# Altium PCB PCB.PcbDoc (part 1 of 2)
Units mm, origin at the board's own origin, x right, y up, seen from the top; angles counter-clockwise.
Board outline 26 x 50 mm, 4 copper layers (Top, GND, Power, Bottom), stack 0.785 mm thick; 138 components, 93 nets, 461 pads, 248 vias.
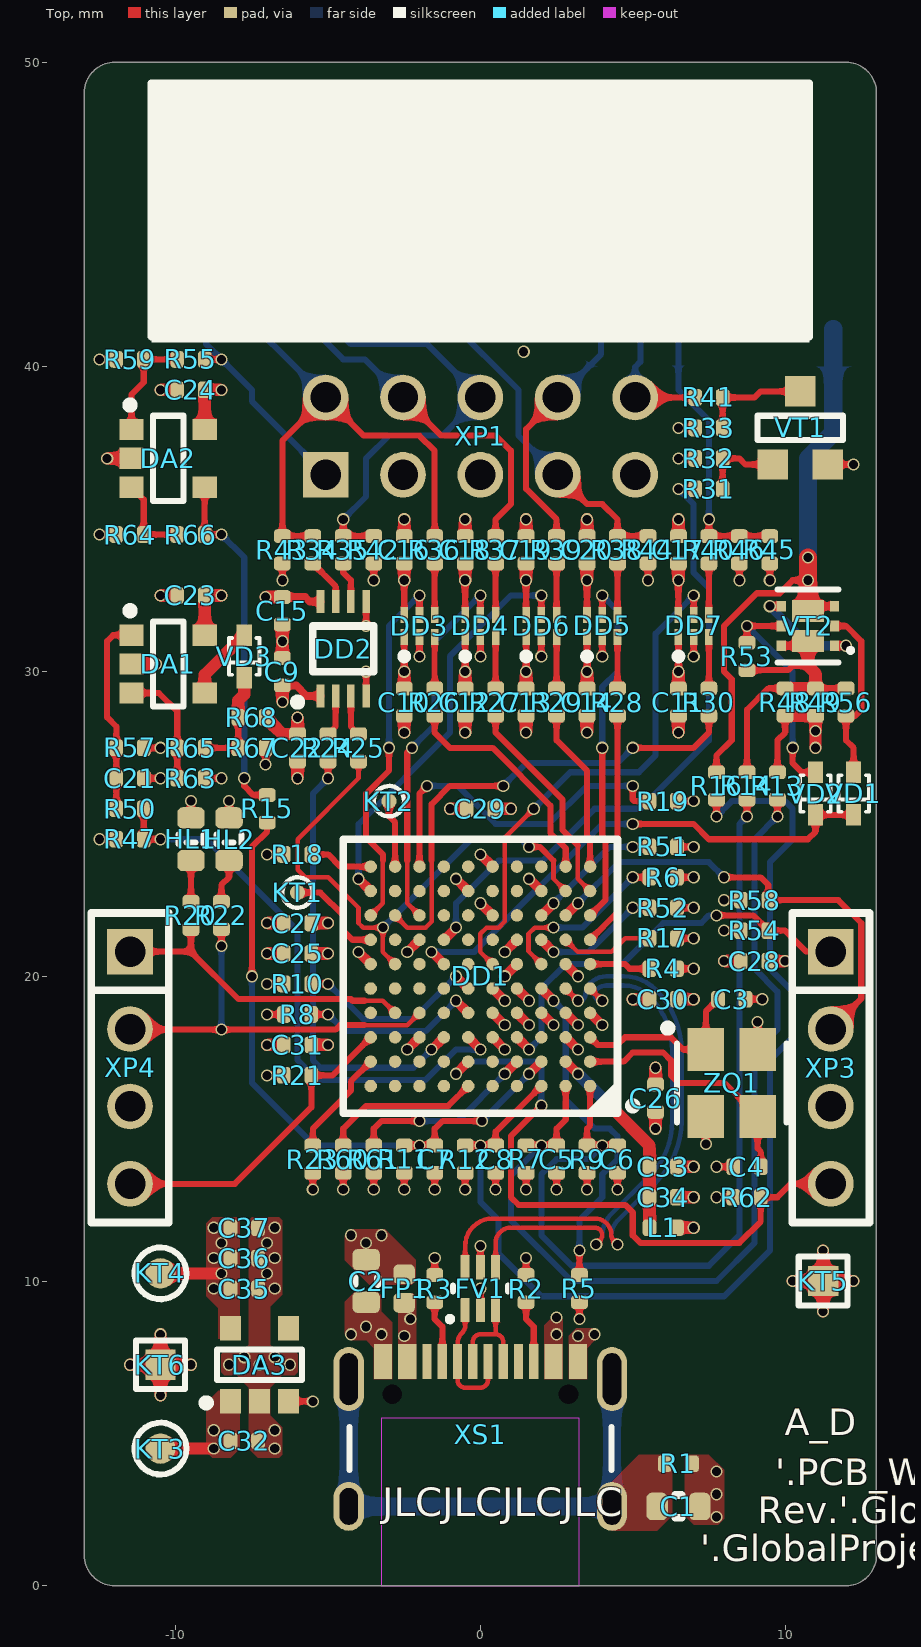
[diagram p0: Top view]
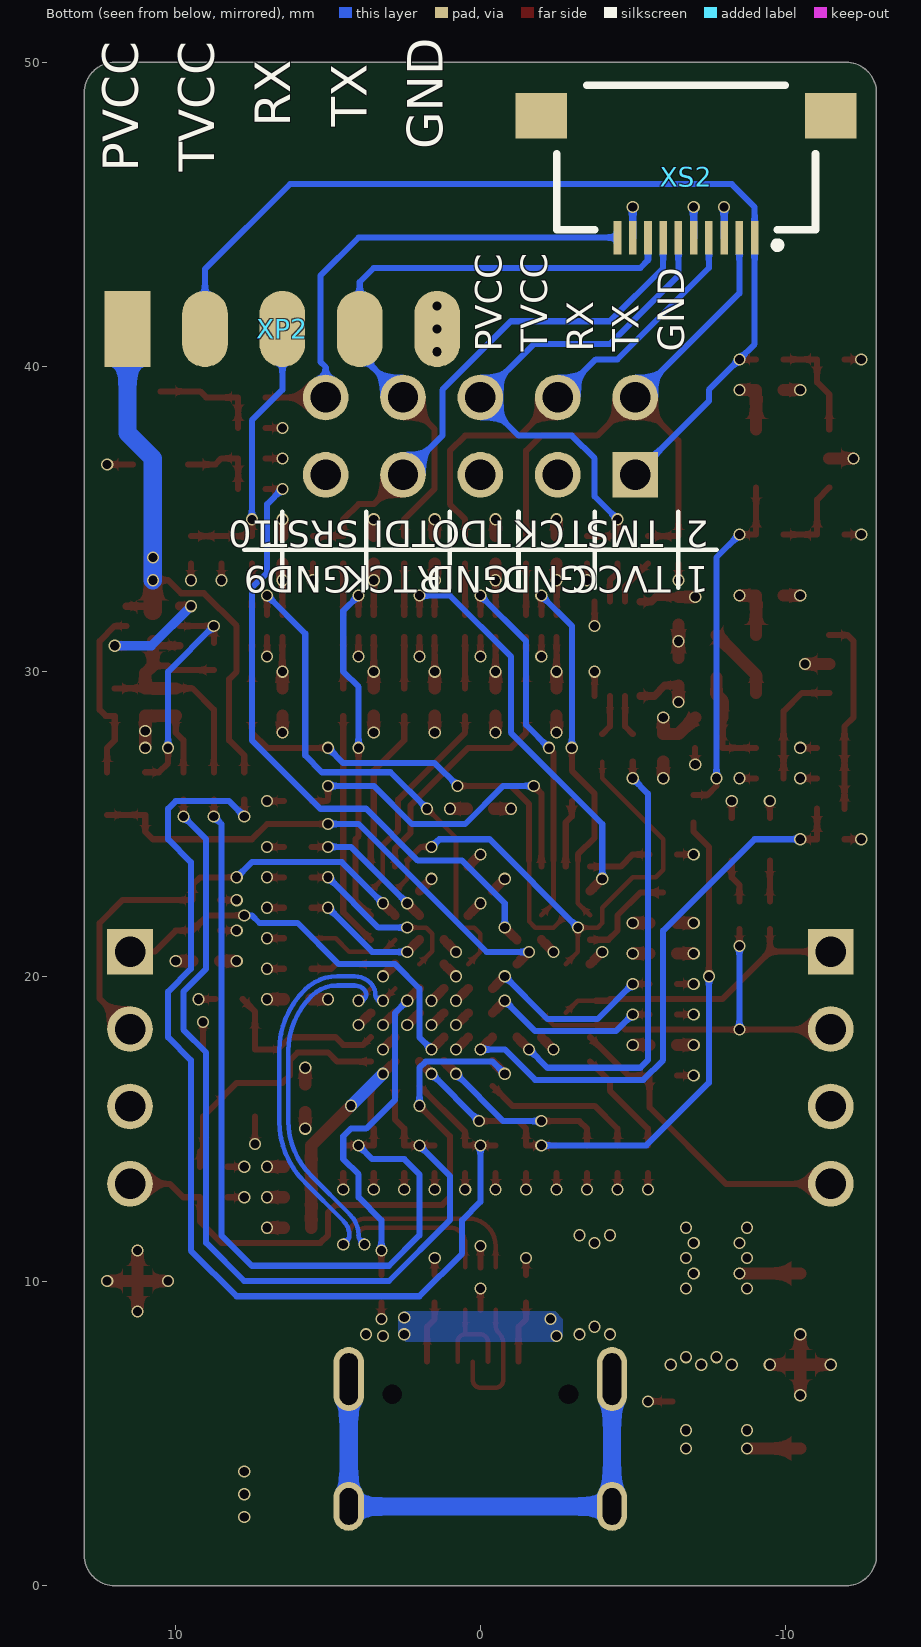
[diagram p1: Bottom view, seen from below]
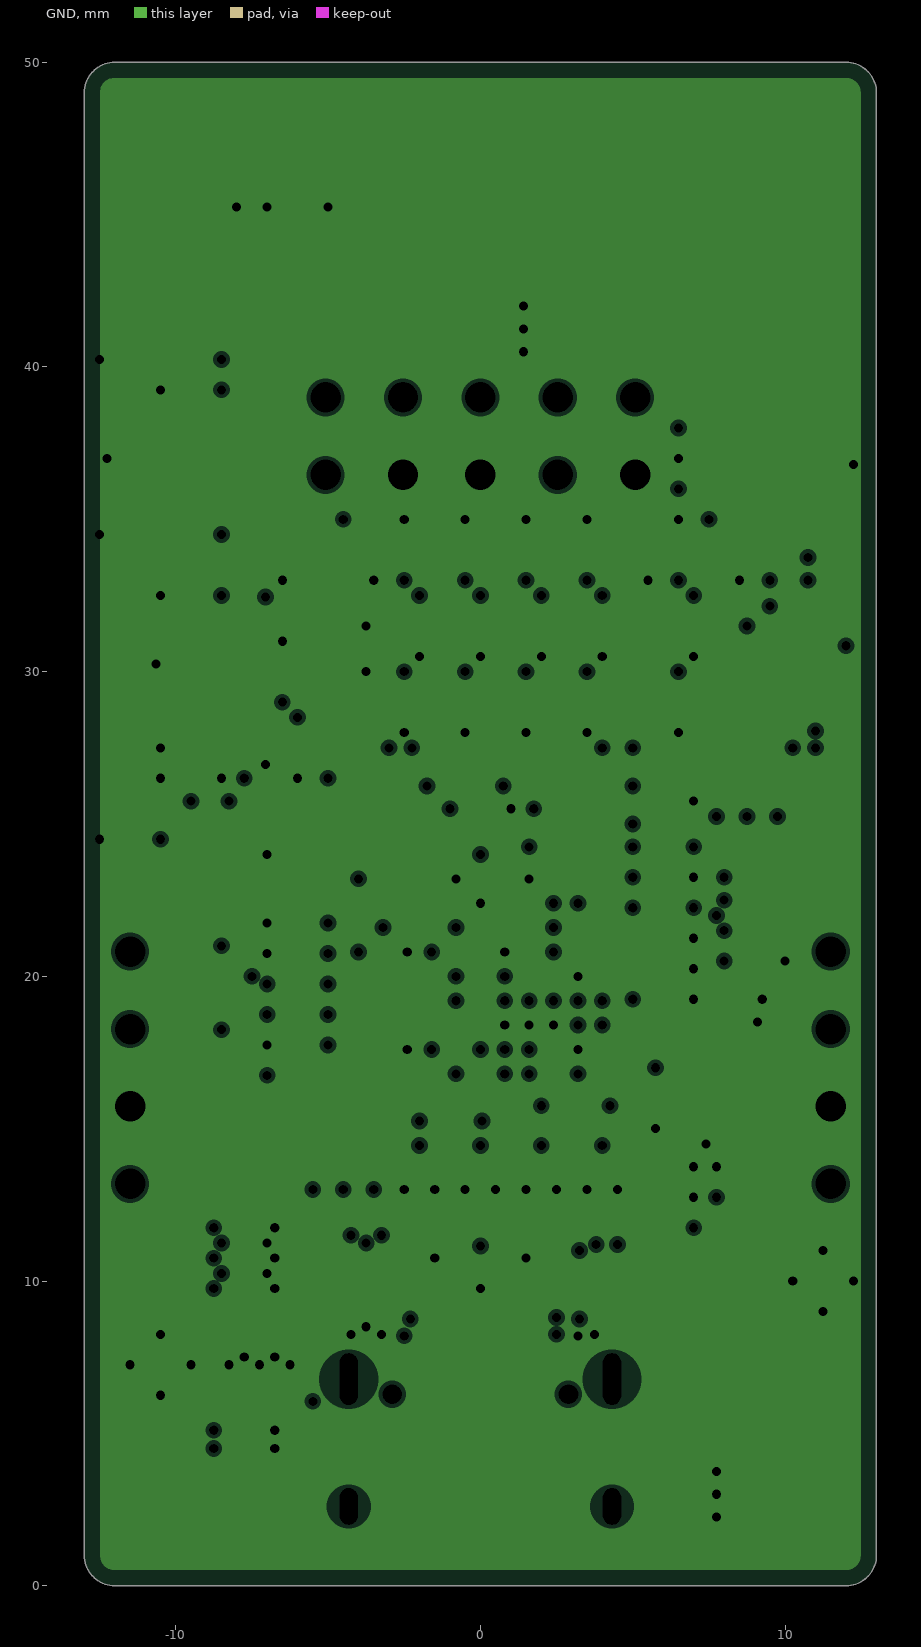
[diagram p2: GND, clearances drawn from the general rule]
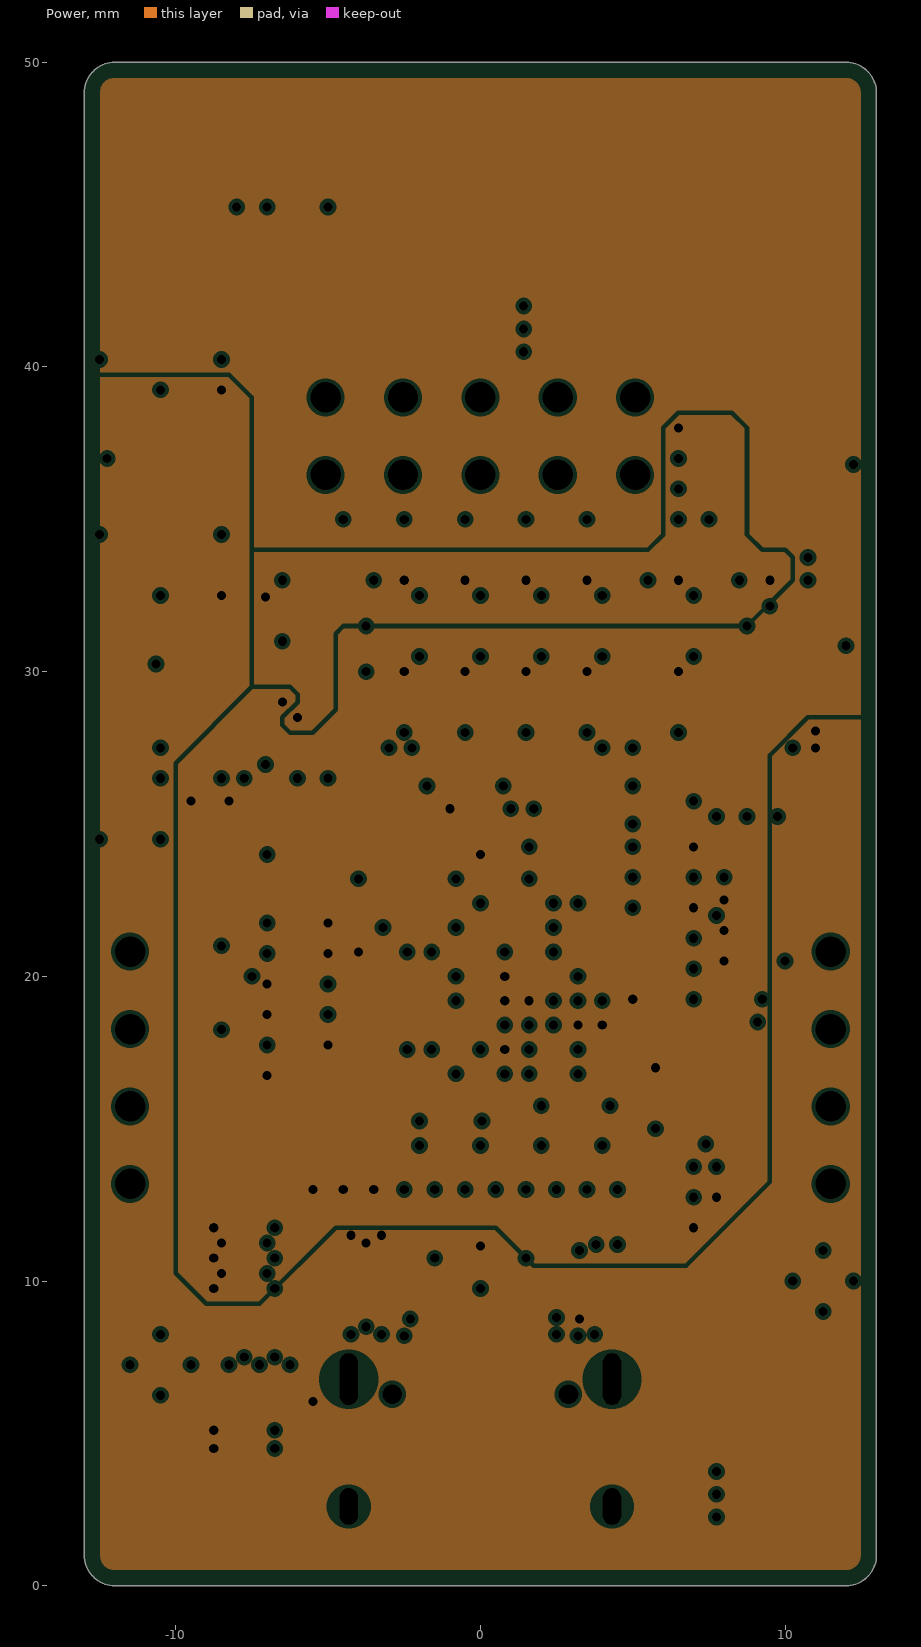
[diagram p3: Power, clearances drawn from the general rule]
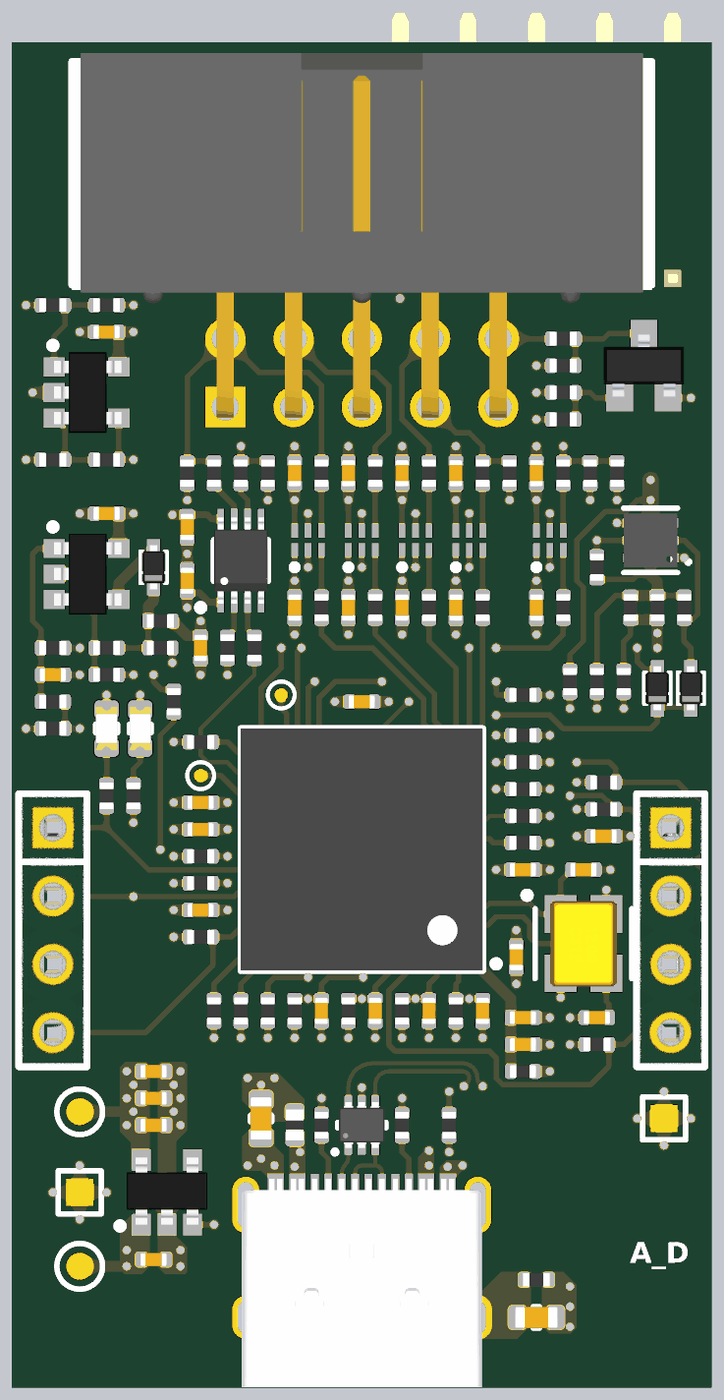
[diagram p5: 3D render of the assembled board from above, using the file's embedded part models]

## Layer stack, top to bottom
Top Solder: solder mask 0.0102, Solder Resist, Dk 3.5
Top: signal copper 0.0356
Dielectric 1: prepreg 0.1067, PP-014, Dk 4.05
GND: plane copper 0.0178, net GND
Core 1: core 0.465, Core-043, Dk 4.3
Power: plane copper 0.0178, net (Multiple Nets)
Dielectric 2: prepreg 0.1067, PP-014, Dk 4.05
Bottom: signal copper 0.0356
Bottom Solder: solder mask 0.0102, Solder Resist, Dk 3.5

## Board outline
-13,1 -13,49 cw(c-12,49) -12,50 12,50 cw(c12,49) 13,49 13,1 cw(c12,1) 12,0 -12,0 cw(c-12,1)

## Design rules (kind name [scope] priority, off if disabled: settings)
AssemblyTestPointUsage [All] p1 off:
AssemblyTestpoint [All] p1 off: testpointundercomponent=TRUE minsize=1.016 maxsize=2.54 preferedsize=1.524 minholesize=0 maxholesize=1.016 preferedholesize=0.813 testpointgrid=0.025 usegrid=TRUE gridtolerance=0 allowsidetop=TRUE allowsidebottom=TRUE
BoardOutlineClearance [All] p1: gap=0.2 ignorepadtopadclearanceinfootprint=FALSE
Clearance [All] p1: gap=0.1 ignorepadtopadclearanceinfootprint=FALSE
ComponentClearance [All] p1 off: gap=0.25 collisioncheckmode=3 verticalgap=0.25 showdistances=FALSE
DiffPairsRouting [All] p1: maxlimit=0.4 minlimit=0.15 mostfreqgap=0.2 toplayer_minwidth=0.15 toplayer_maxwidth=0.15 toplayer_prefwidth=0.15 bottomlayer_minwidth=0.15 bottomlayer_maxwidth=0.15 bottomlayer_prefwidth=0.15 maxuncoupledlength=12
FabricationTestPointUsage [All] p1 off: valid=0 allowmultiple=FALSE
FabricationTestpoint [All] p1 off: side=3 testpointundercomponent=TRUE minsize=1.016 maxsize=2.54 preferedsize=1.524 minholesize=0 maxholesize=1.016 preferedholesize=0.813 testpointgrid=0.025 allowsidetop=TRUE allowsidebottom=TRUE usegrid=TRUE gridtolerance=0
Height [All] p1: minheight=0 maxheight=25 prefheight=25
HoleSize [All] p1: absolutevalues=TRUE maxlimit=6 minlimit=0.2 maxpercent=80.000 minpercent=20.000
HoleToHoleClearance [All] p1: gap=0.25 allowstackedmicrovias=TRUE
MinimumSolderMaskSliver [All] p1 off: minsoldermaskwidth=0.254
PlaneClearance [All] p1: clearance=0.125
PlaneConnect [All] p1: planeconnectstyle=Direct reliefexpansion=0.4 reliefentries=4 reliefconductorwidth=0.3 reliefairgap=0.2
PolygonConnect PolygonConnect_DirectConnect [InComponentClass('DC')] p1: connectstyle=Direct reliefconductorwidth=0.254 reliefentries=4 polygonreliefangle="90 Angle" airgapwidth=0.254
PolygonConnect [All] p2: thpad.connectstyle=Relief thpad.reliefconductorwidth=0.2 thpad.reliefentries=4 thpad.polygonreliefangle="90 Angle" thpad.airgapwidth=0.25 smdpad.connectstyle=Relief smdpad.reliefconductorwidth=0.15 smdpad.reliefentries=4 smdpad.polygonreliefangle="90 Angle" smdpad.airgapwidth=0.15 via.connectstyle=Direct via.reliefconductorwidth=0.254 via.reliefentries=4 via.polygonreliefangle="90 Angle" via.airgapwidth=0.254
RoutingCorners [All] p1: cornerstyle=45-Degree minsetback=1.5 maxsetback=3.5
RoutingVias [All] p1: holewidth=0.2 width=0.4 viastyle="Through Hole" minholewidth=0.2 minwidth=0.4 maxholewidth=1 maxwidth=2
SMDEntry [All] p1: side=TRUE corner=TRUE anyangle=TRUE
SilkToSilkClearance [All] p1 off: silktosilkclearance=0.254
SilkToSolderMaskClearance [IsPad] p1 off: minsilkscreentomaskgap=0.254 clearancetoexposedcopper=TRUE
SolderMaskExpansion [All] p1: expansion=0.025 istentingtop=FALSE
Width [All] p1: maxlimit=8 minlimit=0.15 preferedwidth=0.6
Width Width_TrackEnds [All] p2 off: maxlimit=0.25 minlimit=0.25 preferedwidth=0.25 checkconnectedcopper=TRUE
15 further rules are at their usual default settings.

## Classes and differential pairs
component class DC: C1 C2 C32 C35 C36 C37 DA3 FP1 R1 XS1
differential pair USB_D: +USB_D_P -USB_D_N
differential pair USB_DD: +USB_DD_P -USB_DD_N

## Components (designator, comment, footprint, x,y, rotation, side; value= is the part's Value field where it differs from the comment)
C1 "Capacitor" C0603_160X080H080_H 6.5,2.6 r0 top value=0.1uF
C2 "Capacitor" C0603_160X080H080_H -3.75,10 r90 top value=10uF
C3 "Capacitor" C0402_100X050H050_H 8.25,19.25 r180 top value=12pF
C4 "Capacitor" C0402_100X050H050_H 8.75,13.75 r0 top value=12pF
C5 "Capacitor" C0402_100X050H050_H 2.5,14 r90 top value=0.1uF
C6 "Capacitor" C0402_100X050H050_H 4.5,14 r90 top value=0.1uF
C7 "Capacitor" C0402_100X050H050_H -1.5,14 r90 top value=0.1uF
C8 "Capacitor" C0402_100X050H050_H 0.5,14 r90 top value=0.1uF
C9 "Capacitor" C0402_100X050H050_H -6.5,30 r270 top value=0.1uF
C10 "Capacitor" C0402_100X050H050_H -2.5,29 r90 top value=0.1uF
C11 "Capacitor" C0402_100X050H050_H 6.5,29 r90 top value=0.1uF
C12 "Capacitor" C0402_100X050H050_H -0.5,29 r90 top value=0.1uF
C13 "Capacitor" C0402_100X050H050_H 1.5,29 r90 top value=0.1uF
C14 "Capacitor" C0402_100X050H050_H 3.5,29 r90 top value=0.1uF
C15 "Capacitor" C0402_100X050H050_H -6.5,32 r90 top value=0.1uF
C16 "Capacitor" C0402_100X050H050_H -2.5,34 r270 top value=0.1uF
C17 "Capacitor" C0402_100X050H050_H 6.5,34 r270 top value=0.1uF
C18 "Capacitor" C0402_100X050H050_H -0.5,34 r270 top value=0.1uF
C19 "Capacitor" C0402_100X050H050_H 1.5,34 r270 top value=0.1uF
C20 "Capacitor" C0402_100X050H050_H 3.5,34 r270 top value=0.1uF
C21 "Capacitor" C0402_100X050H050_H -11.5,26.5 r180 top value=0.1uF
C22 "Capacitor" C0402_100X050H050_H -6,27.5 r90 top value=4.7uF
C23 "Capacitor" C0402_100X050H050_H -9.5,32.5 r0 top value=0.1uF
C24 "Capacitor" C0402_100X050H050_H -9.5,39.25 r0 top value=0.1uF
C25 "Capacitor" C0402_100X050H050_H -6,20.75 r0 top value=0.1uF
C26 "Capacitor" C0402_100X050H050_H 5.75,16 r90 top value=0.1uF
C27 "Capacitor" C0402_100X050H050_H -6,21.75 r0 top value=0.1uF
C28 "Capacitor" C0402_100X050H050_H 9,20.5 r180 top value=0.1uF
C29 "Capacitor" C0402_100X050H050_H 0,25.5 r180 top value=0.1uF
C30 "Capacitor" C0402_100X050H050_H 6,19.25 r180 top value=0.1uF
C31 "Capacitor" C0402_100X050H050_H -6,17.75 r0 top value=0.1uF
C32 "Capacitor" C0402_100X050H050_H -7.75,4.75 r0 top value=4.7uF
C33 "Capacitor" C0402_100X050H050_H 6,13.75 r180 top value=4.7uF
C34 "Capacitor" C0402_100X050H050_H 6,12.75 r180 top value=0.1uF
C35 "Capacitor" C0402_100X050H050_H -7.75,9.75 r0 top value=4.7uF
C36 "Capacitor" C0402_100X050H050_H -7.75,10.75 r0 top value=4.7uF
C37 "Capacitor" C0402_100X050H050_H -7.75,11.75 r0 top value=4.7uF
DA1 "OPA-1-5p_2" SOT-23-5_095P290X160X145_N -10.25,30.25 r270 top value=LMV321IDBVR
DA2 "OPA-1-5p_2" SOT-23-5_095P290X160X145_N -10.25,37 r270 top value=LMV321IDBVR
DA3 "TLV755xxPDBV-Series" SOT-23-5_095P290X160X145_N -7.25,7.25 r0 top value=TPS73101DBVR
DD1 "LPC43xxJET100-Series" TFBGA-100_080P900X900X120_N 0,20 r180 top locked value=LPC4322JET100
DD2 "SN74LVC2T45DCx-Series" VSSOP-8_050P200X230X090_N -4.5,30.75 r0 top value=SN74LVC2T45DCUR
DD3 "74LVC1T45x-Series" X2-DFN-6_050P140X100X040_N -2,31.5 r0 top value=74LVC1T45FZ4-7
DD4 "74LVC1T45x-Series" X2-DFN-6_050P140X100X040_N 0,31.5 r0 top value=74LVC1T45FZ4-7
DD5 "74LVC1T45x-Series" X2-DFN-6_050P140X100X040_N 4,31.5 r0 top value=74LVC1T45FZ4-7
DD6 "74LVC1T45x-Series" X2-DFN-6_050P140X100X040_N 2,31.5 r0 top value=74LVC1T45FZ4-7
DD7 "74LVC1T45x-Series" X2-DFN-6_050P140X100X040_N 7,31.5 r0 top value=74LVC1T45FZ4-7
FP1 "Fuse_PTC" F0402_115X065H060_H -2.5,9.75 r90 top value=0402L035SLKR
FV1 "USBLC6-2x6" SOT-666_050P160X120X060_N 0,9.75 r0 top value=USBLC6-2P6
HL1 "Text" LD0603_L -9.5,24.5 r270 top value=NCD0603R1
HL2 "Text" LD0603_L -8.25,24.5 r270 top value=NCD0603G1
KT1 "Text" TP-SMT-C-0.5mm -6,22.75 r270 top value=TestPoint-SMT
KT2 "Text" TP-SMT-C-0.5mm -3,25.75 r270 top value=TestPoint-SMT
KT3 "Text" TP-SMT-C-1mm -10.5,4.5 r270 top value=TestPoint-SMT
KT4 "Text" TP-SMT-C-1mm -10.5,10.25 r270 top value=TestPoint-SMT
KT5 "Text" TP-SMT-R-1.0mm 11.25,10 r270 top value=TestPoint-SMT
KT6 "Text" TP-SMT-R-1.0mm -10.5,7.25 r270 top value=TestPoint-SMT
L1 "FerriteBead" L0402_100X050H050_H 6,11.75 r180 top value=BLM15HD102SN1D
R1 "Resistor" R0402_100X050H035_H 6.5,4 r0 top value=100k
R2 "Resistor" R0402_100X050H035_H 1.5,9.75 r270 top value=5.1k
R3 "Resistor" R0402_100X050H035_H -1.5,9.75 r270 top value=5.1k
R4 "Resistor" R0402_100X050H035_H 6,20.25 r180 top value=0
R5 "Resistor" R0402_100X050H035_H 3.25,9.75 r90 top value=100
R6 "Resistor" R0402_100X050H035_H 6,23.25 r180 top value=12.1k
R7 "Resistor" R0402_100X050H035_H 1.5,14 r90 top value=10k
R8 "Resistor" R0402_100X050H035_H -6,18.75 r0 top value=10k
R9 "Resistor" R0402_100X050H035_H 3.5,14 r90 top value=10k
R10 "Resistor" R0402_100X050H035_H -6,19.75 r0 top value=10k
R11 "Resistor" R0402_100X050H035_H -2.5,14 r90 top value=10k
R12 "Resistor" R0402_100X050H035_H -0.5,14 r90 top value=10k
R13 "Resistor" R0402_100X050H035_H 9.75,26.25 r270 top value=10k
R14 "Resistor" R0402_100X050H035_H 8.75,26.25 r270 top value=10k
R15 "Resistor" R0402_100X050H035_H -7,25.5 r270 top value=10k
R16 "Resistor" R0402_100X050H035_H 7.75,26.25 r270 top value=10k
R17 "Resistor" R0402_100X050H035_H 6,21.25 r0 top value=100k
R18 "Resistor" R0402_100X050H035_H -6,24 r180 top value=100k
R19 "Resistor" R0402_100X050H035_H 6,25.75 r0 top value=100k
R20 "Resistor" R0402_100X050H035_H -9.5,22 r90 top value=1k
R21 "Resistor" R0402_100X050H035_H -6,16.75 r0 top value=10k
R22 "Resistor" R0402_100X050H035_H -8.5,22 r90 top value=1k
R23 "Resistor" R0402_100X050H035_H -5.5,14 r90 top value=10k
R24 "Resistor" R0402_100X050H035_H -5,27.5 r90 top value=100
R25 "Resistor" R0402_100X050H035_H -4,27.5 r90 top value=100
R26 "Resistor" R0402_100X050H035_H -1.5,29 r90 top value=100
R27 "Resistor" R0402_100X050H035_H 0.5,29 r90 top value=100
R28 "Resistor" R0402_100X050H035_H 4.5,29 r90 top value=100
R29 "Resistor" R0402_100X050H035_H 2.5,29 r90 top value=100
R30 "Resistor" R0402_100X050H035_H 7.5,29 r90 top value=100
R31 "Resistor" R0402_100X050H035_H 7.5,36 r0 top value=100
R32 "Resistor" R0402_100X050H035_H 7.5,37 r180 top value=47k
R33 "Resistor" R0402_100X050H035_H 7.5,38 r180 top value=47k
R34 "Resistor" R0402_100X050H035_H -5.5,34 r90 top value=100
R35 "Resistor" R0402_100X050H035_H -4.5,34 r90 top value=100
R36 "Resistor" R0402_100X050H035_H -1.5,34 r90 top value=100
R37 "Resistor" R0402_100X050H035_H 0.5,34 r90 top value=100
R38 "Resistor" R0402_100X050H035_H 4.5,34 r90 top value=100
R39 "Resistor" R0402_100X050H035_H 2.5,34 r90 top value=100
R40 "Resistor" R0402_100X050H035_H 7.5,34 r90 top value=100
R41 "Resistor" R0402_100X050H035_H 7.5,39 r180 top value=100
R42 "Resistor" R0402_100X050H035_H -3.5,34 r90 top value=200k
R43 "Resistor" R0402_100X050H035_H -6.5,34 r90 top value=200k
R44 "Resistor" R0402_100X050H035_H 5.5,34 r90 top value=200k
R45 "Resistor" R0402_100X050H035_H 9.5,34 r270 top value=200k
R46 "Resistor" R0402_100X050H035_H 8.5,34 r90 top value=200k
R47 "Resistor" R0402_100X050H035_H -11.5,24.5 r0 top value=5.1k
R48 "Resistor" R0402_100X050H035_H 10,29 r90 top value=1
R49 "Resistor" R0402_100X050H035_H 11,29 r90 top value=1
R50 "Resistor" R0402_100X050H035_H -11.5,25.5 r0 top value=5.1k
R51 "Resistor" R0402_100X050H035_H 6,24.25 r0 top value=10k
R52 "Resistor" R0402_100X050H035_H 6,22.25 r0 top value=10k
R53 "Resistor" R0402_100X050H035_H 8.75,30.5 r270 top value=10k
R54 "Resistor" R0402_100X050H035_H 9,21.5 r180 top value=10k
R55 "Resistor" R0402_100X050H035_H -9.5,40.25 r180 top value=10k
R56 "Resistor" R0402_100X050H035_H 12,29 r90 top value=10k
R57 "Resistor" R0402_100X050H035_H -11.5,27.5 r180 top value=5.1k
R58 "Resistor" R0402_100X050H035_H 9,22.5 r180 top value=10k
R59 "Resistor" R0402_100X050H035_H -11.5,40.25 r180 top value=10k
R60 "Resistor" R0402_100X050H035_H -4.5,14 r90 top value=10k
R61 "Resistor" R0402_100X050H035_H -3.5,14 r270 top value=10k
R62 "Resistor" R0402_100X050H035_H 8.75,12.75 r180 top value=10k
R63 "Resistor" R0402_100X050H035_H -9.5,26.5 r0 top value=10k
R64 "Resistor" R0402_100X050H035_H -11.5,34.5 r180 top value=10k
R65 "Resistor" R0402_100X050H035_H -9.5,27.5 r0 top value=10k
R66 "Resistor" R0402_100X050H035_H -9.5,34.5 r0 top value=10k
R67 "Resistor" R0402_100X050H035_H -7.5,27.5 r0 top value=10k
R68 "Resistor" R0402_100X050H035_H -7.5,28.5 r0 top value=100
VD1 "Diode" SOD-523 12.25,26 r270 top value=1N4148WT-7
VD2 "Diode" SOD-523 11,26 r270 top value=1N4148WT-7
VD3 "Diode" SOD-523 -7.75,30.5 r270 top value=1N4148WT-7
VT1 "MOSFET-N_32" SOT-23_190P290X160X145_N 10.5,38 r0 top value=BSS138
VT2 "MOSFET-PP_8p_2" SOT-1118-2M_065P200X200X065_N 10.75,31.5 r90 top value=PMDPB55XP,115
XP1 "Text" IDC-10MR 0,42.31 r0 top locked value=IDC-10MR
XP2 "Text" PLS-5RR 6.5,41.25 r180 bottom locked value=PLS-5R
XP3 "Text" PLS-4 11.5,17 r270 top value=PLS-4
XP4 "Text" PLS-4 -11.5,17 r270 top value=PLS-4
XS1 "Text" U262-161N-4BVC11 0,0 r0 top value=U262-161N-4BVC11
XS2 "Text" XF2M-1015-1A -6.75,46.5 r180 bottom locked value=XF2M-1015-1A
ZQ1 "Crystal-1_3p_S" "SMD 3.2x2.5mm" 8.25,16.5 r270 top value=X322512MOB4SI

## Footprints (in the part's own frame and the unit in brackets; to place one, negate y for a bottom-side part, rotate by r counter-clockwise, add the part's x,y. Pads: shape width x height; smd on the part's side, far side on the other; paste and mask are expansions set on the pad)
C0402_100X050H050_H [mm] "Chip Capacitor, 2-Leads, Body 1,00x0,50mm, IPC High Density"
  rrect50% 0.45x0.55 smd: 1(-0.45,0) 2(0.45,0)
  body extent -0.5,-0.25 0.5,0.25, height 0.5
C0603_160X080H080_H [mm] "Chip Capacitor, 2-Leads, Body 1,60x0,80mm, IPC High Density"
  rrect50% 0.7x0.9 smd: 1(-0.7,0) 2(0.7,0)
  silkscreen extent -0.1,-0.38 0.1,0.38, body extent -0.8,-0.4 0.8,0.4, height 0.8
F0402_115X065H060_H [mm] "Chip Resistor, 2-Leads, Body 1,15x0,65mm, IPC High Density"
  rrect50% 0.65x0.7 smd: 1(-0.47,0) 2(0.47,0)
  body extent -0.58,-0.33 0.58,0.33, height 0.6
IDC-10MR [mm]
  rect 1.5x1.5 hole 1: 1(-5.08,-5.85)
  round 1.5 hole 1: 2(-5.08,-3.31) 3(-2.54,-5.85) 4(-2.54,-3.31) 5(0,-5.85) 6(0,-3.31) 7(2.54,-5.85) 8(2.54,-3.31) 9(5.08,-5.85) 10(5.08,-3.31)
  silkscreen extent -10.79,-1.5 10.79,7, body extent -10.47,-6.25 10.47,7.31, height 8.98
L0402_100X050H050_H [mm] "Chip Inductor, 2-Leads, Body 1,00x0,50mm, IPC High Density"
  rrect50% 0.45x0.55 smd: 1(-0.45,0) 2(0.45,0)
  body extent -0.5,-0.25 0.5,0.25, height 0.5
LD0603_L [mm] "Chip Led; Body 1.6 x 0.8 mm (LxW typ)"
  rrect50% 0.7x0.9 smd mask+0.05: 1(-0.7,0) 2(0.7,0)
  silkscreen extent -0.15,-0.41 0.15,0.41, body extent -0.8,-0.4 0.8,0.4, height 0.7
PLS-4 [mm]
  rect 1.5x1.5 hole 1: 1(-3.81,0)
  round 1.5 hole 1: 2(-1.27,0) 3(1.27,0) 4(3.81,0)
  silkscreen extent -5.08,-1.27 5.08,1.27, body extent -5.08,-1.27 5.08,1.27, height 8.9
PLS-5RR [mm]
  rect 1.5x2.5 smd: 1(-5.08,0)
  oval 1.5x2.5 smd: 2(-2.54,0) 3(0,0) 4(2.54,0) 5(5.08,0)
  body extent -6.35,-0.32 6.35,9.9, height 2.94
R0402_100X050H035_H [mm] "Chip Resistor, 2-Leads, Body 1,00x0,50mm, IPC High Density"
  rrect50% 0.45x0.55 smd: 1(-0.45,0) 2(0.45,0)
  body extent -0.5,-0.25 0.5,0.25, height 0.35
"SMD 3.2x2.5mm" [mm]
  rect 1.4x1.2 smd paste+0: 1(-1.1,-0.85) 2(1.1,-0.85) 3(1.1,0.85) 4(-1.1,0.85)
  silkscreen extent -1.92,-2.22 1.3,1.8, body extent -1.6,-1.25 1.6,1.25, height 0.77
SOD-523 [mm]
  rect 0.7x0.5 smd: 1(-0.7,0) 2(0.7,0)
  silkscreen extent -0.6,-0.5 0.6,0.5, body extent -0.82,-0.4 0.83,0.4, height 0.67
SOT-23-5_095P290X160X145_N [mm]
  rect 0.7x0.8 smd: 1(-0.95,-1.2) 2(0,-1.2) 3(0.95,-1.2) 4(0.95,1.2) 5(-0.95,1.2)
  silkscreen extent -1.87,-1.37 1.4,0.5, body extent -1.5,-1.2 1.5,1.3, height 1.1
SOT-23_190P290X160X145_N [mm] "КТ-46"
  rect 1x1 smd: 1(-0.9,-1.2) 2(0.9,-1.2) 3(0,1.2)
  silkscreen extent -1.4,-0.4 1.4,0.4, body extent -1.5,-1.15 1.5,1.15, height 1.11
SOT-666_050P160X120X060_N [mm]
  rect 0.3x0.8 smd: 1(-0.5,-0.7) 2(0,-0.7) 3(0.5,-0.7) 4(0.5,0.7) 5(0,0.7) 6(-0.5,0.7)
  silkscreen extent -1.08,-1.08 0.9,0.1, body extent -0.85,-0.85 0.85,0.85, height 0.62
SOT-1118-2M_065P200X200X065_N [mm] "DFN2020-6"
  rect 0.35x0.3 smd: 1(-0.65,-0.875) 2(0,-0.875) 3(0.65,-0.875) 4(0.65,0.875) 5(0,0.875) 6(-0.65,0.875)
  rect 0.72x1.05 smd: 3(0.49,0) 6(-0.49,0)
  silkscreen extent -1.2,-1.45 1.2,1, body extent -1,-1 1,1, height 0.65
TFBGA-100_080P900X900X120_N [mm] "BGA, 100-Leads, Body 9,00x9,00mmx1,20mm, Pitch 0,80mm"
  round 0.41 smd: A1(-3.6,3.6) A2(-2.8,3.6) A3(-2,3.6) A4(-1.2,3.6) A5(-0.4,3.6) A6(0.4,3.6) A7(1.2,3.6) A8(2,3.6) A9(2.8,3.6) A10(3.6,3.6) B1(-3.6,2.8) B2(-2.8,2.8) B3(-2,2.8) B4(-1.2,2.8) B5(-0.4,2.8) B6(0.4,2.8) B7(1.2,2.8) B8(2,2.8) B9(2.8,2.8) B10(3.6,2.8) C1(-3.6,2) C2(-2.8,2) C3(-2,2) C4(-1.2,2) C5(-0.4,2) C6(0.4,2) C7(1.2,2) C8(2,2) C9(2.8,2) C10(3.6,2) D1(-3.6,1.2) D2(-2.8,1.2) D3(-2,1.2) D4(-1.2,1.2) D5(-0.4,1.2) D6(0.4,1.2) D7(1.2,1.2) D8(2,1.2) D9(2.8,1.2) D10(3.6,1.2) E1(-3.6,0.4) E2(-2.8,0.4) E3(-2,0.4) E4(-1.2,0.4) E5(-0.4,0.4) E6(0.4,0.4) E7(1.2,0.4) E8(2,0.4) E9(2.8,0.4) E10(3.6,0.4) F1(-3.6,-0.4) F2(-2.8,-0.4) F3(-2,-0.4) F4(-1.2,-0.4) F5(-0.4,-0.4) F6(0.4,-0.4) F7(1.2,-0.4) F8(2,-0.4) F9(2.8,-0.4) F10(3.6,-0.4) G1(-3.6,-1.2) G2(-2.8,-1.2) G3(-2,-1.2) G4(-1.2,-1.2) G5(-0.4,-1.2) G6(0.4,-1.2) G7(1.2,-1.2) G8(2,-1.2) G9(2.8,-1.2) G10(3.6,-1.2) H1(-3.6,-2) H2(-2.8,-2) H3(-2,-2) H4(-1.2,-2) H5(-0.4,-2) H6(0.4,-2) H7(1.2,-2) H8(2,-2) H9(2.8,-2) H10(3.6,-2) J1(-3.6,-2.8) J2(-2.8,-2.8) J3(-2,-2.8) J4(-1.2,-2.8) J5(-0.4,-2.8) J6(0.4,-2.8) J7(1.2,-2.8) J8(2,-2.8) J9(2.8,-2.8) J10(3.6,-2.8) K1(-3.6,-3.6) K2(-2.8,-3.6) K3(-2,-3.6) K4(-1.2,-3.6) K5(-0.4,-3.6) K6(0.4,-3.6) K7(1.2,-3.6) K8(2,-3.6) K9(2.8,-3.6) K10(3.6,-3.6)
  silkscreen extent -5.13,-4.5 4.5,4.5, body extent -4.5,-4.5 4.5,4.5, height 1.2
TP-SMT-C-0.5mm [mm]
  round 0.5 smd paste-1: 1(0,0)
  silkscreen extent -0.5,-0.5 0.5,0.5
TP-SMT-C-1mm [mm]
  round 1 smd paste-1: 1(0,0)
  silkscreen extent -0.85,-0.85 0.85,0.85
TP-SMT-R-1.0mm [mm]
  rect 1x1 smd paste-1: 1(0,0)
  silkscreen extent -0.8,-0.8 0.8,0.8
U262-161N-4BVC11 [mm]
  round 0 hole 0.65 unplated: 0(-2.89,6.28) 0(2.89,6.28)
  rect 0.3x1.15 smd: A1(-3.35,7.355) A4(-2.55,7.355) A5(-1.25,7.355) A6(-0.25,7.355) A7(0.25,7.355) A8(-1.75,7.355) A9(2.55,7.355) A12(3.35,7.355) B1(3.05,7.355) B4(2.25,7.355) B5(1.75,7.355) B6(0.75,7.355) B7(-0.75,7.355) B8(1.25,7.355) B9(-2.25,7.355) B12(-3.05,7.355)
  oval 1x1.6 hole 0.6 slot 1.2 at 90 deg: SH(-4.32,2.6) SH(4.32,2.6)
  oval 1x2.1 hole 0.6 slot 1.7 at 90 deg: SH(-4.32,6.78) SH(4.32,6.78)
  Top keep-out region: -3.25,0 3.25,0 3.25,5.5 -3.25,5.5
  silkscreen extent -4.3,3.8 4.3,5.2, body extent -4.48,0 4.48,7.75, height 3.26
VSSOP-8_050P200X230X090_N [mm] "TSSOP, 8-Leads, Body 2,00x2,30mm, Pitch 0,50mm, IPC Medium Density"
  rect 0.25x0.75 smd: 1(-0.75,-1.55) 2(-0.25,-1.55) 3(0.25,-1.55) 4(0.75,-1.55) 5(0.75,1.55) 6(0.25,1.55) 7(-0.25,1.55) 8(-0.75,1.55)
  silkscreen extent -1.62,-1.87 1,0.75, body extent -1,-1.6 1,1.6, height 0.9
X2-DFN-6_050P140X100X040_N [mm]
  rect 0.25x0.525 smd: 1(-0.5,-0.363) 2(0,-0.363) 3(0.5,-0.363) 4(0.5,0.363) 5(0,0.363) 6(-0.5,0.363)
  silkscreen extent -0.6,-1.1 -0.4,-0.9, body extent -0.7,-0.5 0.7,0.5, height 0.4
XF2M-1015-1A [mm]
  rect 0.25x1.1 smd mask+0.025: 1(2.25,-2.25) 2(1.75,-2.25) 3(1.25,-2.25) 4(0.75,-2.25) 5(0.25,-2.25) 6(-0.25,-2.25) 7(-0.75,-2.25) 8(-1.25,-2.25) 9(-1.75,-2.25) 10(-2.25,-2.25)
  rect 1.7x1.5 smd mask+0.025: SH(-4.75,1.75) SH(4.75,1.75)
  silkscreen extent -4.25,-2.6 4.25,2.75, body extent -4.55,-3.2 4.55,2.7, height 2

## Part data
C1: library part GRM188R72A104KA35D, Dielectric Type=X7R, LCSC Part=C113803, Manufacturer=Murata, Schematic Value="0.1uF, 100V", Temperature Max=+125°С, Temperature Min=-55°С, Tolerance=±10%, Voltage=100V, AEC Standard=General, ClassName=DC, Functional Analog=GRM188R72A104KA35J, ID=232, Part Number=GRM188R72A104KA35D, Part Type=Конденсатор
C2: library part GRM188R61A106KE69D, Dielectric Type=X5R, LCSC Part=C77044, Manufacturer=Murata, Schematic Value="10uF, 10V", Temperature Max=+85°С, Temperature Min=-55°С, Tolerance=±10%, Voltage=10V, AEC Standard=General, ClassName=DC, Functional Analog=GRM188R61A106KE69J, ID=173, Part Number=GRM188R61A106KE69D, Part Type=Конденсатор
C3 C4: library part GRM1555C1H120JA01D, Dielectric Type=NP0, LCSC Part=C76948, Manufacturer=Murata, Schematic Value="12pF, 50V", Temperature Max=+125°С, Temperature Min=-55°С, Tolerance=±5%, Voltage=50V, AEC Standard=General, Functional Analog="GJM1555C1H120GB01D, GRM1555C1H120JA01J, GRM1555C1H120JA01W", ID=159, Part Number=GRM1555C1H120JA01D, Part Type=Конденсатор
C5 C6 C7 C8 C9 C10 C11 C12 C13 C14 C15 C16 C17 C18 C19 C20 C21 C23 C24 C25 C26 C27 C28 C29 C30 C31 C34: library part GCM155R71C104KA55D, Dielectric Type=X7R, LCSC Part=C85857, Manufacturer=Murata, Schematic Value="0.1uF, 16V", Temperature Max=+125°С, Temperature Min=-55°С, Tolerance=±10%, Voltage=16V, AEC Standard=AEC-Q200, Functional Analog="GRM155R71C104KA88D, GCM155R71C104KA55J, GCM155R71C104KA55W", ID=163, Part Number=GCM155R71C104KA55D, Part Type=Конденсатор
C22 C32 C33 C35 C36 C37: library part GRM155R61A475MEAAD, Dielectric Type=X5R, LCSC Part=C335105, Manufacturer=Murata, Schematic Value="4.7uF, 10V", Temperature Max=+85°С, Temperature Min=-55°С, Tolerance=±20%, Voltage=10V, AEC Standard=General, Functional Analog=GRM155R61A475MEAAJ, ID=255, Part Number=GRM155R61A475MEAAD, Part Type=Конденсатор
  C32 C35 C36 C37: ClassName=DC
DA1 DA2: library part LMV321IDBVR, LCSC Part=C7972, Manufacturer="Texas Instruments", Supply Current=130uA, Temperature Max=+125°С, Temperature Min=-40°С, Bandwidth=1MHz, ID=46, Part Number=LMV321IDBVR, Part Type=Микросхема, Published=11.04.2014, Publisher="Andrew Danich", Rail-to-Rail=+\+, Schematic Value=LMV321IDBVR, Slew Rate=1V/µs, Supply Operation=+2.7…5.5V, Type=Микросхема
DA3: library part TLV75533PDBVR, Input Voltage=+1.45…5.5V, LCSC Part=C404027, Manufacturer="Texas Instruments", Output Current=0.5A, Output Voltage=+3.3V, Temperature Max=+125°С, Temperature Min=-40°С, ClassName=DC, Functional Analog=TLV75533PDBVT, ID=37, Part Number=TLV75533PDBVR, Part Type=Микросхема, Published=23.05.2020, Publisher="Andrew Danich", Schematic Value=TLV75533PDBVR, Type=Микросхема
DD1: library part LPC4322JET100, Manufacturer="NXP Semiconductors", Operation Frequency=204MHz, Temperature Max=+105°С, Temperature Min=-40°С, ID=45, IO Lines=49, Part Number=LPC4322JET100, Prog Interface="JTAG, SWD, USB", RAM=104K, ROM=512K, Schematic Value=LPC4322JET100, Supply Operation=+2.4…3.6V
DD2: library part SN74LVC2T45DCUR, LCSC Part=C15741, Manufacturer="Texas Instruments", Supply Current=10uA, Temperature Max=+85°С, Temperature Min=-40°С, Channels=2, Directional=Unidirection, Functional Analog=74LVCH2T45DC,125, ID=18, Max Data Rate=420Mbps, Part Number=SN74LVC2T45DCUR, Part Type=Микросхема, Schematic Value=SN74LVC2T45DCUR, Supply 1 Operation=+1,65…5,5V, Supply 2 Operation=+1,65…5,5V
DD3 DD4 DD5 DD6 DD7: library part 74LVC1T45FZ4-7, LCSC Part=C150482, Manufacturer="Diodes Incorporated", Supply Current=3uA, Temperature Max=+150°С, Temperature Min=-40°С, Channels=1, Directional=Bidirection, ID=13, Part Number=74LVC1T45FZ4-7, Part Type=Микросхема, Prop Delay=15.1nS, Schematic Value=74LVC1T45FZ4-7, Supply 1 Operation=+1.65…5.5V, Supply 2 Operation=+1.65…5.5V
FP1: library part 0402L035SLKR, Current Rating Max=50A, Hold Current=350mA, Limit Voltage=6V, Manufacturer=Littelfuse, Resistance=0.7ohm, Schematic Value="700mA, 6V", Temperature Max=+85°С, Temperature Min=-40°С, Trip Current=700mA, ClassName=DC, ID=17, Part Number=0402L035SLKR, Part Type=Предохранитель
FV1: library part USBLC6-2P6, Breakdown Voltage=6V, Forward Voltage=0.95V, Junction Capacitance=2.5pF, LCSC Part=C15999, Manufacturer=STMicroelectronics, Peak Forward Current=5A, Reverse Stand Off Voltage=17V, Temperature Max=+125°С, Temperature Min=-40°С, Directional=Bidirectional, Functional Analog=TPUSBLC6-2P6, ID=30, Part Number=USBLC6-2P6, Schematic Value=USBLC6-2P6
HL1: library part NCD0603R1, Color=Red, Forward Current=25mA, Forward Voltage=2.0V, LCSC Part=C84263, Manufacturer="Foshan NationStar Optoelectronics", Power Dissipation=65mW, Temperature Max=+85°С, Temperature Min=-30°С, ID=42, Leds=1, Luminous Flux=120, Part Number=NCD0603R1, Published=03.12.2013, Publisher="Andrew Danich", Schematic Value=NCD0603R1, Type="Индикатор единичный"
HL2: library part NCD0603G1, Color=Green, Forward Current=20mA, Forward Voltage=3.0V, LCSC Part=C84267, Manufacturer="Foshan NationStar Optoelectronics", Power Dissipation=72mW, Temperature Max=+85°С, Temperature Min=-30°С, ID=45, Leds=1, Luminous Flux=650, Part Number=NCD0603G1, Published=03.12.2013, Publisher="Andrew Danich", Schematic Value=NCD0603G1, Type="Индикатор единичный"
KT1 KT2 KT3 KT4: library part TestPoint-SMT, Application Type="On PCB Test Point", ID=6, Part Number=TestPoint-SMT, Published=03.03.2015, Publisher="Andrew Danich", Schematic Value=TestPoint-SMT
KT5 KT6: library part TestPoint-SMT-GND, Application Type="On PCB Test Point", ID=7, Part Number=TestPoint-SMT-GND, Published=03.03.2015, Publisher="Andrew Danich", Schematic Value=TestPoint-SMT-GND
L1: library part BLM15HD102SN1D, DC Resistance=1.25ohm, Inductor Type=EMIFIL, Manufacturer=Murata, Rated Current=250mA, Schematic Value="1000ohm, 250mA", Temperature Max=+125°С, Temperature Min=-55°С, Tolerance=±25%, Application Category=1, Functional Analog=BLM15HD102SN1B, ID=7, Impedance=1000ohm, Part Number=BLM15HD102SN1D, Part Type="Ферритовая бусина"
R1 R17 R18 R19: library part 0402WGF1003TCE, LCSC Part=C25741, Limit Voltage=50V, Manufacturer="Uniroyal Elec", Schematic Value="100k ±1%", Temperature Coefficient=100ppm, Temperature Max=+155°С, Temperature Min=-55°С, Tolerance=±1%, Total Power Dissipation=0.1W, ID=661, Part Number=0402WGF1003TCE, Part Type=Резистор, Series Type=Thick-Film
  R1: ClassName=DC
R2 R3 R47 R50 R57: library part 0402WGF5101TCE, LCSC Part=C25905, Limit Voltage=50V, Manufacturer="Uniroyal Elec", Schematic Value="5.1k ±1%", Temperature Coefficient=100ppm, Temperature Max=+155°С, Temperature Min=-55°С, Tolerance=±1%, Total Power Dissipation=0.1W, ID=667, Part Number=0402WGF5101TCE, Part Type=Резистор, Series Type=Thick-Film
R4: library part 0402WGF0000TCE, LCSC Part=C17168, Limit Voltage=50V, Manufacturer="Uniroyal Elec", Schematic Value="0 ±1%", Temperature Coefficient=800ppm, Temperature Max=+155°С, Temperature Min=-55°С, Tolerance=±1%, Total Power Dissipation=0.1W, ID=666, Part Number=0402WGF0000TCE, Part Type=Резистор, Series Type=Thick-Film
R5 R24 R25 R26 R27 R28 R29 R30 R31 R34 R35 R36 R37 R38 R39 R40 R41 R68: library part RC0402FR-07100RL, Limit Voltage=50V, Manufacturer=Yageo, Schematic Value="100 ±1%", Temperature Coefficient=100ppm, Temperature Max=+155°С, Temperature Min=-55°С, Tolerance=±1%, Total Power Dissipation=0.1W, ID=457, Part Number=RC0402FR-07100RL, Part Type=Резистор, Series Type=Thick-Film
R6: library part RC0402FR-0712K1L, Limit Voltage=50V, Manufacturer=Yageo, Schematic Value="12.1k ±1%", Temperature Coefficient=100ppm, Temperature Max=+155°С, Temperature Min=-55°С, Tolerance=±1%, Total Power Dissipation=0.1W, ID=484, Part Number=RC0402FR-0712K1L, Part Type=Резистор, Series Type=Thick-Film
R7 R8 R9 R10 R11 R12 R13 R14 R15 R16 R21 R23 R51 R52 R53 R54 R55 R56 R58 R59 R60 R61 R62 R63 R64 R65 R66 R67: library part 0402WGF1002TCE, LCSC Part=C25744, Limit Voltage=50V, Manufacturer="Uniroyal Elec", Schematic Value="10k ±1%", Temperature Coefficient=100ppm, Temperature Max=+155°С, Temperature Min=-55°С, Tolerance=±1%, Total Power Dissipation=0.1W, ID=665, Part Number=0402WGF1002TCE, Part Type=Резистор, Series Type=Thick-Film
R20 R22: library part 0402WGF1001TCE, LCSC Part=C11702, Limit Voltage=50V, Manufacturer="Uniroyal Elec", Schematic Value="1k ±1%", Temperature Coefficient=100ppm, Temperature Max=+155°С, Temperature Min=-55°С, Tolerance=±1%, Total Power Dissipation=0.1W, ID=663, Part Number=0402WGF1001TCE, Part Type=Резистор, Series Type=Thick-Film
R32 R33: library part 0402WGF4702TCE, LCSC Part=C25792, Limit Voltage=50V, Manufacturer="Uniroyal Elec", Schematic Value="47k ±1%", Temperature Coefficient=100ppm, Temperature Max=+155°С, Temperature Min=-55°С, Tolerance=±1%, Total Power Dissipation=0.1W, ID=668, Part Number=0402WGF4702TCE, Part Type=Резистор, Series Type=Thick-Film
R42 R43 R44 R45 R46: library part 0402WGF2003TCE, LCSC Part=C25764, Limit Voltage=50V, Manufacturer="Uniroyal Elec", Schematic Value="200k ±1%", Temperature Coefficient=100ppm, Temperature Max=+155°С, Temperature Min=-55°С, Tolerance=±1%, Total Power Dissipation=0.1W, ID=676, Part Number=0402WGF2003TCE, Part Type=Резистор, Series Type=Thick-Film
R48 R49: library part RC0402FR-071RL, Limit Voltage=50V, Manufacturer=Yageo, Schematic Value="1 ±1%", Temperature Coefficient=100ppm, Temperature Max=+155°С, Temperature Min=-55°С, Tolerance=±1%, Total Power Dissipation=0.1W, ID=658, Part Number=RC0402FR-071RL, Part Type=Резистор, Series Type=Thick-Film
VD1 VD2 VD3: library part 1N4148WT-7, Capacitance=2pF, Forward Current=250mA, Forward Voltage=1.25V, LCSC Part=C83482, Manufacturer="Diodes Incorporated", Reverse Current=1uA, Reverse Voltage=100V, Temperature Max=+150°С, Temperature Min=-65°С, Total Power Dissipation=200mW, Functional Analog=1N4148X-TP, ID=18, Part Number=1N4148WT-7, Recovery Time=4nS, Schematic Value=1N4148WT-7
VT1: library part BSS138, D-S On-Resistance=6omh, D-S Voltage=50V, Drain Current=220mA, Gate Capacitance=27pF, Gate Threshold Voltage=1.5V, Temperature Max=+150°С, Temperature Min=-55°С, Total Power Dissipation=350mW, ID=58, Part Number=BSS138, Part Type=Транзистор, Published=24.09.2010, Publisher="Andrew Danich", Schematic Value=BSS138, Type=Транзистор
VT2: library part PMDPB55XP,115, D-S On-Resistance=70momh, D-S Voltage=-20V, Drain Current=-4.5A, Gate Capacitance=785pF, Gate Threshold Voltage=-0.9V, LCSC Part=C552752, Manufacturer="NXP Semiconductors", Temperature Max=+150°С, Temperature Min=-55°С, Total Power Dissipation=1.17W, ID=22, Part Number=PMDPB55XP,115, Part Type="Транзисторная сборка", Published=18.07.2014, Publisher="Andrew Danich", Schematic Value=PMDPB55XP,115, Type="Сборка транзисторная"
XP1: library part IDC-10MR, Limit Current=1A, Limit Voltage=500V, Resistance=20mohm, Connector Type=Male, Functional Analog="DS1013-10RSIB, C3510-10SPGB00", ID=11, Part Number=IDC-10MR, Pins=10, Pitch=2.54mm, Schematic Value=IDC-10MR
XP2: library part PLS-5R, Limit Current=3A, Limit Voltage=250V, Resistance=15momh, Connector Type=Male, ID=32, Part Number=PLS-5R, Pins=5, Pitch=2.54mm, Schematic Value=PLS-5R, Surface Finish=Gold
XP3 XP4: library part PLS-4, Limit Current=3A, Limit Voltage=250V, Resistance=15momh, Connector Type=Male, ID=3, Part Number=PLS-4, Pins=4, Pitch=2.54mm, Schematic Value=PLS-4, Surface Finish=Gold
XS1: library part U262-161N-4BVC11, LCSC Part=C319148, Limit Current=3A, Limit Voltage=30V, Manufacturer="XKB Enterprise", Temperature Max=+85°С, Temperature Min=-40°С, ClassName=DC, Connector Type=Female, ID=41, Interface="USB 3.1 Type C", Max Data Rate="5 Gbps", Mount Type=Surface, Part Number=U262-161N-4BVC11, Part Type=Розетка, Pins=16, Schematic Value=U262-161N-4BVC11
XS2: library part XF2M-1015-1A, Limit Current=500mA, Limit Voltage=50V, Manufacturer="Omron Electronics", Resistance=0.05ohm, Temperature Max=+85°С, Temperature Min=-30°С, Connector Type=Female, Functional Analog=AFC24-S10FIA-00, ID=7, Part Number=XF2M-1015-1A, Pins=10, Pitch=0.5mm, Schematic Value=XF2M-1015-1A, Series=FPC
ZQ1: library part X322512MOB4SI, LCSC Part=C70565, Load Capacitance=12pF, Manufacturer="Yangxing Tech", Output Frequency=12МГц, Schematic Value="12МГц ±10ppm", Shunt Capacitance=7pF, Temperature Coefficient=±10ppm, Temperature Max=+85°С, Temperature Min=-40°С, ID=44, Part Number=X322512MOB4SI, Part Type="Кварцевый резонатор"

## Via types
v1: diameter 0.4, hole 0.3, Top to Bottom, tented both sides, 248 vias

## Nets (pads, with @x,y where several pads share a name; then routed paths per layer and width w, separated by ;. In a path a pad name is that pad's centre, name@x,y a point inside that pad or via, vN(x,y) a via of type N, cw(c..) or ccw(c..) an arc to the next point about the centre after c; other vN are vias at no path point)
ADC_0: C5.2 DD1.A2 R7.2 R13.2 | length 30.8
  Top w0.2: R7.2@1.5,14.45 v1(2,14.45) C5.2@2.5,14.45 2.5,15 2.8,15.3 DD1.A2@2.8,16.4 ; v1(9.75,25.25) R13.2@9.75,25.8
  Bottom w0.2: v1(2,14.45) 1,13.45 1,12 3,10 7.75,10 9,11.25 9,17.5 9.75,18.25 9.75,19.5 9,20.25 9,24.5 v1(9.75,25.25)
ADC_1: C6.2 DD1.A1 R9.2 R14.2 | length 29.1
  Top w0.2: DD1.A1@3.6,16.4 3.6,15.1 3.5,15 R9.2@3.5,14.45 v1(4,14.45) C6.2@4.5,14.45 ; v1(8.75,25.25) R14.2@8.75,25.8
  Bottom w0.2: v1(4,14.45) 3.55,14 2.5,14 2,13.5 2,11.5 3,10.5 7.5,10.5 8.5,11.5 8.5,25 v1(8.75,25.25)
ADC_2: C7.2 DD1.B3 R11.2 R15.2 | length 21.1
  Top w0.2: v1(-7.5,20) -7.5,24.25 -7,24.75 R15.2@-7,25.05 ; R11.2@-2.5,14.45 v1(-2,14.45) C7.2@-1.5,14.45 -1.5,15 -1.25,15.25 v1(0.05,15.25)
  Top w0.3: v1(1.6,16.8) DD1.B3@2,17.2
  Bottom w0.2: v1(-7.5,20) -7.5,16.5 -5.45,14.45 v1(-2,14.45) ; v1(0.05,15.25) v1(1.6,16.8)
ADC_3: C8.2 DD1.A3 R12.2 R16.2 | length 36.3
  Top w0.2: R12.2@-0.5,14.45 v1(0,14.45) C8.2@0.5,14.45 0.5,14.9 DD1.A3@2,16.4 ; v1(7.75,25.25) R16.2@7.75,25.8
  Bottom w0.2: v1(0,14.45) 0,12.6 0.6,12 0.6,10.9 2,9.5 8,9.5 9.5,11 9.5,17.25 10.25,18 10.25,19.5 9.5,20.25 9.5,23.75 10.25,24.5 10.25,25.5 10,25.75 8.25,25.75 v1(7.75,25.25)
AVCC3P3: C33.2 C34.2 DD1.B2 L1.2 | length 6.6
  Top w0.3: DD1.B2@2.8,17.2 v1(3.2,16.8)
  Top w0.4: v1(4.25,15.75) 5.55,14.45 C33.2@5.55,13.75 C34.2@5.55,12.75 L1.2@5.55,11.75
  Bottom w0.4: v1(3.2,16.8) v1(4.25,15.75)